# Altium PCB 创世一号.PcbDoc (part 2 of 2) (continued)
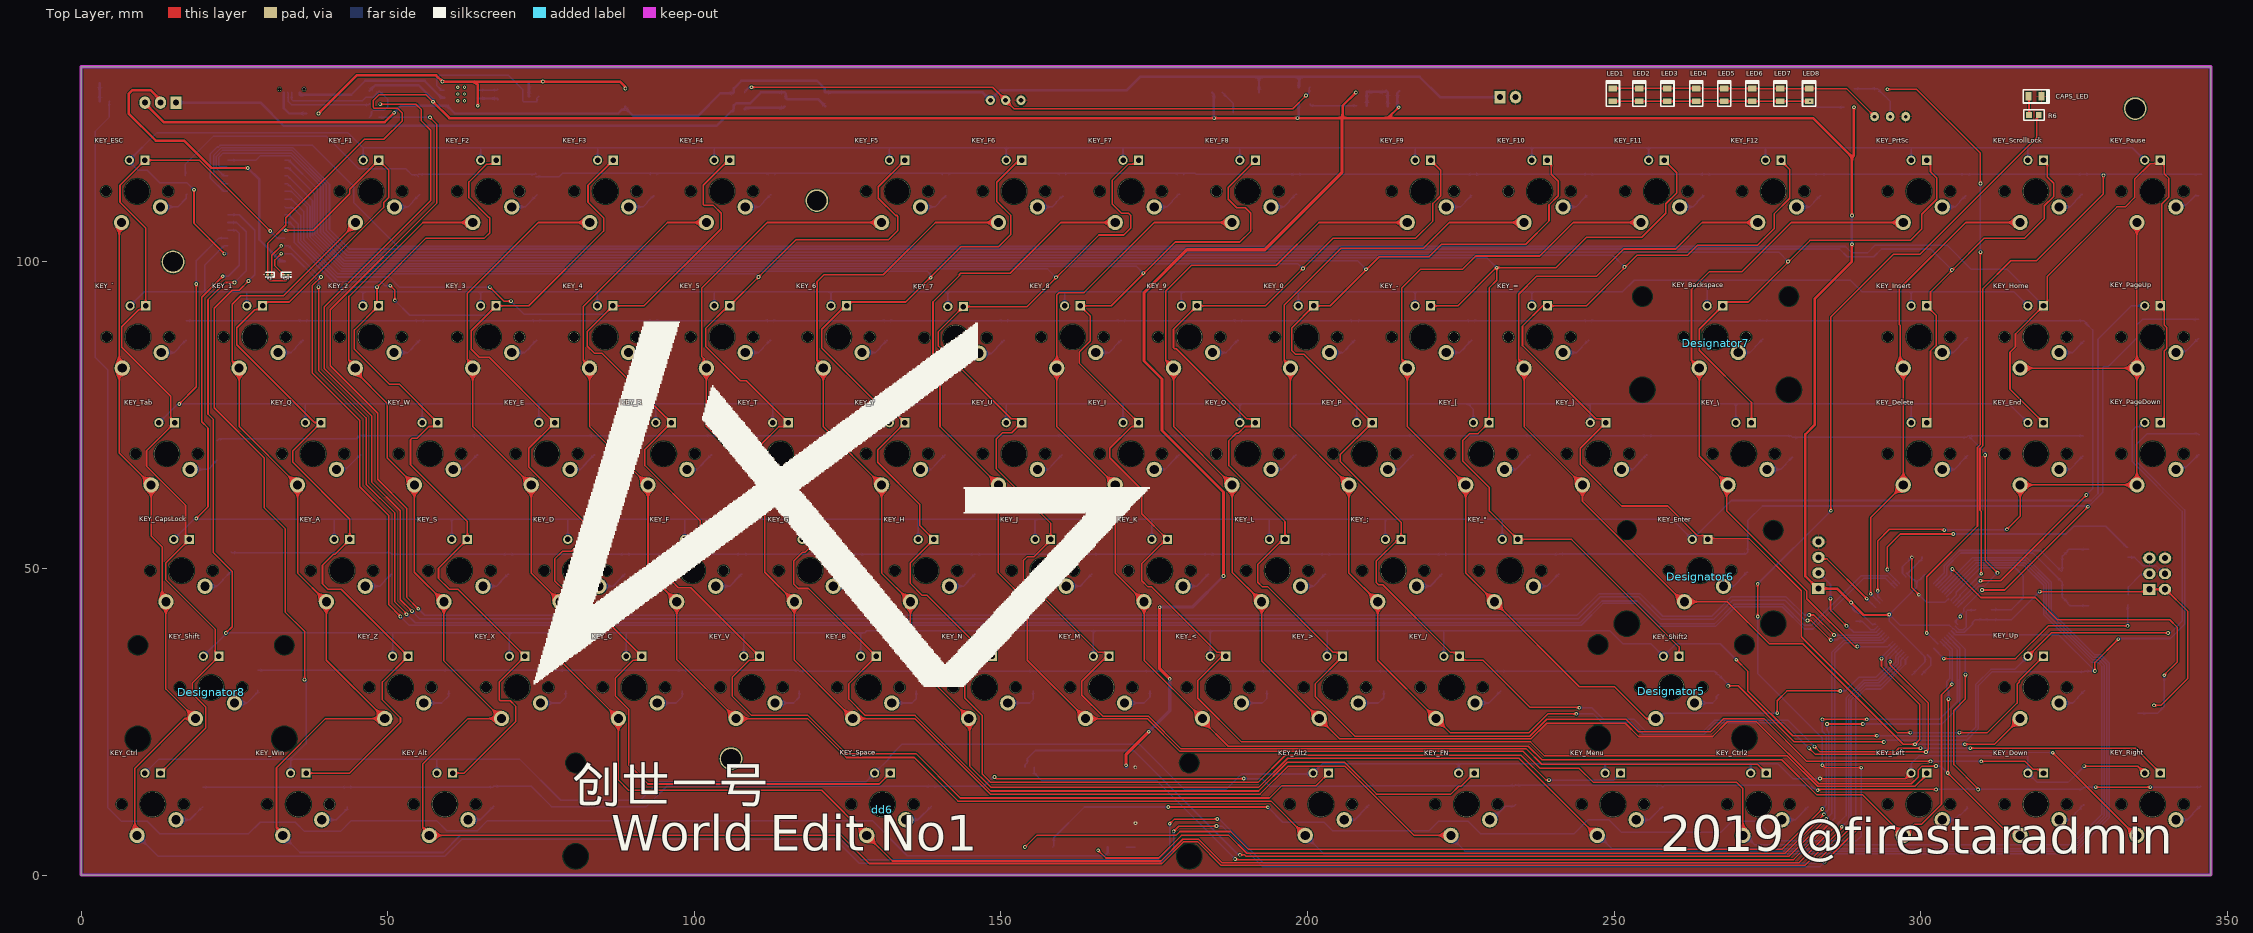
[diagram p0: Top Layer view]
## Nets (pads, with @x,y where several pads share a name; then routed paths per layer and width w, separated by ;. In a path a pad name is that pad's centre, name@x,y a point inside that pad or via, vN(x,y) a via of type N, cw(c..) or ccw(c..) an arc to the next point about the centre after c; other vN are vias at no path point) (continued)
NetD15_1: D15.1 KEY_PrtSc.1 | length 4.8
  Bottom Layer w0.254: KEY_PrtSc.1@303.53,108.966 305.627,108.966 306.36,109.699 306.36,109.799 307.367,110.806 D15.1@307.467,110.806
NetD16_1: D16.1 KEY_ScrollLock.1 | length 4.7
  Bottom Layer w0.254: KEY_ScrollLock.1@322.58,108.966 324.358,108.966 325.187,109.795 325.187,109.895 326.29,110.998 D16.1@326.39,110.998
NetD17_1: D17.1 KEY_Pause.1 | length 4.4
  Bottom Layer w0.254: KEY_Pause.1@341.63,108.966 341.926,109.262 343.261,109.262 344.805,110.806 D17.1@345.313,110.806
NetD18_1: D18.1 KEY_`.1 | length 4.9
  Bottom Layer w0.254: KEY_`.1@13.081,85.217 15.178,85.217 15.975,86.014 15.975,86.114 17.045,87.184 D18.1@17.145,87.184
NetD19_1: D19.1 KEY_1.1 | length 4.9
  Bottom Layer w0.254: KEY_1.1@32.131,85.217 34.239,85.217 35.036,86.014 35.036,86.114 36.106,87.184 D19.1@36.206,87.184
NetD20_1: D20.1 KEY_2.1 | length 5.1
  Bottom Layer w0.254: KEY_2.1@51.054,85.217 53.299,85.217 54.096,86.014 54.096,86.114 55.166,87.184 D20.1@55.266,87.184
NetD21_1: D21.1 KEY_3.1 | length 5
  Bottom Layer w0.254: KEY_3.1@70.231,85.217 72.36,85.217 73.157,86.014 73.157,86.114 74.227,87.184 D21.1@74.327,87.184
NetD22_1: D22.1 KEY_4.1 | length 5
  Bottom Layer w0.254: KEY_4.1@89.281,85.217 91.42,85.217 92.217,86.014 92.217,86.114 93.287,87.184 D22.1@93.387,87.184
NetD23_1: D23.1 KEY_5.1 | length 5
  Bottom Layer w0.254: KEY_5.1@108.331,85.217 110.481,85.217 111.278,86.014 111.278,86.114 112.348,87.184 D23.1@112.448,87.184
NetD24_1: D24.1 KEY_6.1 | length 5
  Bottom Layer w0.254: KEY_6.1@127.381,85.217 129.541,85.217 130.338,86.014 130.338,86.114 131.408,87.184 D24.1@131.508,87.184
NetD25_1: D25.1 KEY_7.1 | length 5.1
  Bottom Layer w0.254: KEY_7.1@146.431,85.09 148.475,85.09 149.336,85.95 149.336,86.05 150.469,87.184 D25.1@150.569,87.184
NetD26_1: D26.1 KEY_8.1 | length 5
  Bottom Layer w0.254: KEY_8.1@165.481,85.217 167.663,85.217 168.46,86.014 168.46,86.114 169.53,87.184 D26.1@169.63,87.184
NetD27_1: D27.1 KEY_9.1 | length 5
  Bottom Layer w0.254: KEY_9.1@184.531,85.217 186.723,85.217 187.52,86.014 187.52,86.114 188.59,87.184 D27.1@188.69,87.184
NetD28_1: D28.1 KEY_0.1 | length 5
  Bottom Layer w0.254: KEY_0.1@203.581,85.217 205.784,85.217 206.581,86.014 206.581,86.114 207.651,87.184 D28.1@207.751,87.184
NetD29_1: D29.1 KEY_-.1 | length 5.1
  Bottom Layer w0.254: KEY_-.1@222.631,85.217 224.844,85.217 225.641,86.014 225.641,86.114 226.711,87.184 D29.1@226.811,87.184
NetD30_1: D30.1 KEY_=.1 | length 5.1
  Bottom Layer w0.254: KEY_=.1@241.681,85.217 243.905,85.217 244.702,86.014 244.702,86.114 245.772,87.184 D30.1@245.872,87.184
NetD31_1: D31.1 KEY_Backspace.1 | length 5
  Bottom Layer w0.254: KEY_Backspace.1@270.256,85.217 272.161,85.217 273.054,86.11 273.054,86.21 274.22,87.376 D31.1@274.32,87.376
NetD32_1: D32.1 KEY_Insert.1 | length 5.2
  Bottom Layer w0.254: KEY_Insert.1@303.53,85.217 305.308,85.217 306.328,86.237 306.328,86.337 307.621,87.63 D32.1@307.721,87.63
NetD33_1: D33.1 KEY_Home.1 | length 4.9
  Bottom Layer w0.254: KEY_Home.1@322.58,85.217 324.804,85.217 325.537,85.95 325.537,86.05 326.544,87.057 D33.1@326.644,87.057
NetD34_1: D34.1 KEY_Tab.1 | length 5.1
  Bottom Layer w0.254: KEY_Tab.1@17.78,66.167 20.766,66.167 21.309,66.71 21.309,66.81 22.125,67.626 D34.1@22.225,67.626
NetD35_1: D35.1 KEY_PageUp.1 | length 4.6
  Bottom Layer w0.254: KEY_PageUp.1@341.63,85.217 341.899,85.486 343.261,85.486 345.213,87.438 D35.1@345.313,87.438
NetD36_1: D36.1 KEY_W.1 | length 4.9
  Bottom Layer w0.254: KEY_W.1@60.706,66.167 60.825,66.286 62.337,66.286 64.566,68.515 D36.1@64.666,68.515
NetD37_1: D37.1 KEY_E.1 | length 5
  Bottom Layer w0.254: KEY_E.1@79.756,66.167 81.391,66.167 82.379,67.154 82.379,67.254 83.639,68.515 D37.1@83.739,68.515
NetD38_1: D38.1 KEY_R.1 | length 5
  Bottom Layer w0.254: KEY_R.1@98.806,66.167 100.464,66.167 101.452,67.154 101.452,67.254 102.712,68.515 D38.1@102.812,68.515
NetD39_1: D39.1 KEY_T.1 | length 5.1
  Bottom Layer w0.254: KEY_T.1@117.856,66.167 119.537,66.167 120.525,67.154 120.525,67.254 121.785,68.515 D39.1@121.885,68.515
NetD40_1: D40.1 KEY_Y.1 | length 5.1
  Bottom Layer w0.254: KEY_Y.1@136.906,66.167 138.61,66.167 139.598,67.154 139.598,67.254 140.858,68.515 D40.1@140.958,68.515
NetD41_1: D41.1 KEY_U.1 | length 5.1
  Bottom Layer w0.254: KEY_U.1@155.956,66.167 157.684,66.167 158.671,67.154 158.671,67.254 159.932,68.515 D41.1@160.032,68.515
NetD42_1: D42.1 KEY_I.1 | length 5.1
  Bottom Layer w0.254: KEY_I.1@175.006,66.167 176.757,66.167 177.744,67.154 177.744,67.254 179.005,68.515 D42.1@179.105,68.515
NetD43_1: D43.1 KEY_O.1 | length 5.2
  Bottom Layer w0.254: KEY_O.1@194.056,66.167 195.83,66.167 196.817,67.154 196.817,67.254 198.078,68.515 D43.1@198.178,68.515
NetD44_1: D44.1 KEY_P.1 | length 5.2
  Bottom Layer w0.254: KEY_P.1@213.106,66.167 214.903,66.167 215.89,67.154 215.89,67.254 217.151,68.515 D44.1@217.251,68.515
NetD45_1: D45.1 KEY_[.1 | length 5.2
  Bottom Layer w0.254: KEY_[.1@232.156,66.167 233.976,66.167 234.963,67.154 234.963,67.254 236.224,68.515 D45.1@236.324,68.515
NetD46_1: D46.1 KEY_].1 | length 5.2
  Bottom Layer w0.254: KEY_].1@251.206,66.167 253.049,66.167 254.036,67.154 254.036,67.254 255.297,68.515 D46.1@255.397,68.515
NetD47_1: D47.1 KEY_\.1 | length 5.1
  Bottom Layer w0.254: KEY_\.1@274.955,66.167 277.179,66.167 277.976,66.964 277.976,67.064 279.046,68.134 D47.1@279.146,68.134
NetD48_1: D48.1 KEY_Delete.1 | length 5.2
  Bottom Layer w0.254: KEY_Delete.1@303.53,66.167 305.5,66.167 306.424,67.091 306.424,67.191 307.621,68.388 D48.1@307.721,68.388
NetD49_1: D49.1 KEY_End.1 | length 4.9
  Bottom Layer w0.254: KEY_End.1@322.58,66.167 324.358,66.167 325.251,67.06 325.251,67.16 326.417,68.326 D49.1@326.517,68.326
NetD50_1: D50.1 KEY_CapsLock.1 | length 5.3
  Bottom Layer w0.254: KEY_CapsLock.1@20.193,47.117 22.163,47.117 23.15,48.104 23.15,48.204 24.411,49.465 D50.1@24.511,49.465
NetD51_1: D51.1 KEY_A.1 | length 5.2
  Bottom Layer w0.254: KEY_A.1@46.355,47.117 48.706,47.117 49.503,47.914 49.503,48.014 50.573,49.084 D51.1@50.673,49.084
NetD52_1: D52.1 KEY_S.1 | length 5.1
  Bottom Layer w0.254: KEY_S.1@65.532,47.117 67.743,47.117 68.54,47.914 68.54,48.014 69.61,49.084 D52.1@69.71,49.084
NetD53_1: D53.1 KEY_D.1 | length 5.2
  Bottom Layer w0.254: KEY_D.1@84.455,47.117 86.781,47.117 87.578,47.914 87.578,48.014 88.648,49.084 D53.1@88.748,49.084
NetD54_1: D54.1 KEY_F.1 | length 5.2
  Bottom Layer w0.254: KEY_F.1@103.505,47.117 105.818,47.117 106.615,47.914 106.615,48.014 107.685,49.084 D54.1@107.785,49.084
NetD55_1: D55.1 KEY_G.1 | length 5
  Bottom Layer w0.254: KEY_G.1@122.682,47.117 124.855,47.117 125.652,47.914 125.652,48.014 126.722,49.084 D55.1@126.822,49.084
NetD56_1: D56.1 KEY_H.1 | length 5.1
  Bottom Layer w0.254: KEY_H.1@141.605,47.117 143.893,47.117 144.689,47.914 144.689,48.014 145.76,49.084 D56.1@145.859,49.084
NetD57_1: D57.1 KEY_J.1 | length 5.1
  Bottom Layer w0.254: KEY_J.1@160.655,47.117 162.93,47.117 163.727,47.914 163.727,48.014 164.797,49.084 D57.1@164.897,49.084
NetD58_1: D58.1 KEY_K.1 | length 5.1
  Bottom Layer w0.254: KEY_K.1@179.705,47.117 181.967,47.117 182.764,47.914 182.764,48.014 183.834,49.084 D58.1@183.934,49.084
NetD59_1: D59.1 KEY_L.1 | length 5
  Bottom Layer w0.254: KEY_L.1@198.882,47.117 201.004,47.117 201.801,47.914 201.801,48.014 202.871,49.084 D59.1@202.971,49.084
NetD60_1: D60.1 KEY_;.1 | length 5.1
  Bottom Layer w0.254: 217.805,47.117 220.042,47.117 220.839,47.914 220.839,48.014 221.909,49.084 D60.1@222.009,49.084
NetD61_1: "KEY_\".1" D61.1 | length 5.1
  Bottom Layer w0.254: 236.855,47.117 239.079,47.117 239.876,47.914 239.876,48.014 240.946,49.084 D61.1@241.046,49.084
NetD62_1: D62.1 KEY_Enter.1 | length 4.9
  Bottom Layer w0.254: KEY_Enter.1@267.843,47.117 269.494,47.117 270.45,48.073 270.45,48.173 271.68,49.403 D62.1@271.78,49.403
NetD63_1: D63.1 KEY_Q.1 | length 4.9
  Bottom Layer w0.254: KEY_Q.1@41.656,66.167 41.798,66.309 43.287,66.309 45.493,68.515 D63.1@45.593,68.515
NetD64_1: D64.1 KEY_PageDown.1 | length 4.8
  Bottom Layer w0.254: KEY_PageDown.1@341.63,66.167 341.964,66.501 343.261,66.501 345.34,68.58 D64.1@345.44,68.58
NetD66_1: D66.1 KEY_Shift.1 | length 4.9
  Bottom Layer w0.254: KEY_Shift.1@25.019,28.067 27.051,28.067 28.829,29.845 D66.1@28.829,30.161
NetD67_1: D67.1 KEY_Z.1 | length 5.4
  Bottom Layer w0.254: KEY_Z.1@55.88,28.067 58.801,28.067 59.944,29.21 D67.1@59.944,30.034
NetD68_1: D68.1 KEY_X.1 | length 5.5
  Bottom Layer w0.254: KEY_X.1@74.93,28.067 78.105,28.067 79.008,28.97 D68.1@79.008,30.034
NetD69_1: D69.1 KEY_C.1 | length 5.4
  Bottom Layer w0.254: KEY_C.1@93.98,28.067 97.028,28.067 98.072,29.111 D69.1@98.072,30.034
NetD70_1: D70.1 KEY_V.1 | length 5.4
  Bottom Layer w0.254: KEY_V.1@113.157,28.067 116.205,28.067 117.136,28.998 D70.1@117.136,30.034
NetD71_1: D71.1 KEY_B.1 | length 5.6
  Bottom Layer w0.254: KEY_B.1@132.207,28.067 135.509,28.067 136.2,28.758 D71.1@136.2,30.034
NetD72_1: D72.1 KEY_N.1 | length 5.6
  Bottom Layer w0.254: KEY_N.1@151.257,28.067 154.686,28.067 155.265,28.646 D72.1@155.265,30.034
NetD73_1: D73.1 KEY_M.1 | length 5.5
  Bottom Layer w0.254: KEY_M.1@170.18,28.067 173.355,28.067 174.329,29.041 D73.1@174.329,30.034
NetD74_1: D74.1 KEY_<.1 | length 5.7
  Bottom Layer w0.254: KEY_<.1@189.23,28.067 192.659,28.067 193.393,28.801 D74.1@193.393,30.034
NetD75_1: D75.1 KEY_>.1 | length 5.6
  Bottom Layer w0.254: KEY_>.1@208.28,28.067 211.582,28.067 212.457,28.942 D75.1@212.457,30.034
NetD76_1: D76.1 KEY_/.1 | length 5
  Bottom Layer w0.254: KEY_/.1@227.33,28.067 229.554,28.067 D76.1@231.521,30.034
NetD77_1: D77.1 KEY_Shift2.1 | length 4.7
  Bottom Layer w0.254: KEY_Shift2.1@263.144,28.067 266.065,28.067 266.7,28.702 266.7,29.018 266.708,29.026 266.708,29.126 266.981,29.399 D77.1@267.081,29.399
NetD78_1: D78.1 KEY_Up.1 | length 5.1
  Bottom Layer w0.254: KEY_Up.1@322.58,28.067 324.804,28.067 325.601,28.864 325.601,28.964 326.671,30.034 D78.1@326.771,30.034
NetD82_1: D82.1 KEY_Ctrl.1 | length 5.2
  Bottom Layer w0.254: KEY_Ctrl.1@15.494,9.017 17.718,9.017 D82.1@19.812,11.111
NetD83_1: D83.1 KEY_Win.1 | length 5.2
  Bottom Layer w0.254: KEY_Win.1@39.243,9.017 41.621,9.017 43.434,10.83 D83.1@43.434,11.111
NetD84_1: D84.1 KEY_Alt.1 | length 5.1
  Bottom Layer w0.254: KEY_Alt.1@63.119,9.017 65.089,9.017 D84.1@67.31,11.238
NetD85_1: D85.1 KEY_Space.1 | length 5.1
  Bottom Layer w0.254: KEY_Space.1@134.493,9.017 136.463,9.017 D85.1@138.684,11.238
NetD86_1: D86.1 KEY_Alt2.1 | length 5.1
  Bottom Layer w0.254: KEY_Alt2.1@205.994,9.017 207.71,9.017 208.697,10.004 208.697,10.104 209.958,11.365 D86.1@210.058,11.365
NetD87_1: D87.1 KEY_FN.1 | length 5.2
  Bottom Layer w0.254: KEY_FN.1@229.743,9.017 230.068,9.017 232.27,11.219 233.661,11.219 D87.1@233.934,11.492
NetD88_1: D88.1 KEY_Menu.1 | length 5.2
  Bottom Layer w0.254: KEY_Menu.1@253.619,9.017 255.743,9.017 257.837,11.111 D88.1@257.937,11.111
NetD89_1: D89.1 KEY_Ctrl2.1 | length 5.2
  Bottom Layer w0.254: KEY_Ctrl2.1@277.368,9.017 279.592,9.017 280.452,9.877 280.452,9.977 281.586,11.111 D89.1@281.686,11.111
NetD90_1: D90.1 KEY_Left.1 | length 5.1
  Bottom Layer w0.254: KEY_Left.1@303.53,9.017 305.5,9.017 306.36,9.877 306.576,9.877 307.621,10.922 D90.1@307.721,10.922 ; D90.1@307.494,11.111 D90.1@307.594,11.111
NetD91_1: D91.1 KEY_Down.1 | length 5.1
  Bottom Layer w0.254: KEY_Down.1@322.58,9.017 324.231,9.017 325.251,10.037 325.251,10.137 326.544,11.43 D91.1@326.644,11.43
NetD92_1: D92.1 KEY_Right.1 | length 5
  Bottom Layer w0.254: KEY_Right.1@341.63,9.017 343.473,9.017 344.397,9.941 344.397,10.041 345.594,11.238 D92.1@345.694,11.238
NetF1_2: F1.2 USB.1 | length 6.6
  Bottom Layer w0.4: USB.1@33.06,127.627 33.06,125.095 33.949,124.206 F1.2@36.719,124.206
NetLED1_1: LED1.1 LED2.1 LED3.1 LED4.1 LED5.1 LED6.1 LED7.1 LED8.1 R17.1 | length 38.1
  Top Layer w0.254: LED1.1@249.809,126.205 LED2.1@254.127,126.205 LED3.1@258.699,126.205 LED4.1@263.398,126.205 LED5.1@267.97,126.205 LED6.1@272.542,126.205 LED7.1@277.114,126.205 LED8.1@281.813,126.205 281.935,126.205 v1(281.94,126.2)
  Bottom Layer w0.254: v1(281.94,126.2) 282.918,125.222 R17.1@287.528,125.222
NetLED1_2: LED1.2 LED2.2 LED3.2 LED4.2 LED5.2 LED6.2 LED7.2 LED8.2 Q1.1 | length 44.6
  Top Layer w0.254: LED1.2@249.809,128.305 LED2.2@254.127,128.305 LED3.2@258.699,128.305 LED4.2@263.398,128.305 263.433,128.27 287.909,128.27 Q1.1@292.481,123.698
NetLED_CHRG_2: LED_CHRG.2 R13.2 | length 2.3
  Bottom Layer w0.4: LED_CHRG.2@72.991,129.286 73.033,129.244 73.033,127.042 R13.2@73.076,127
NetLEDPwrCON_2: LEDPwrCON.2 U2.28 | length 51
  Top Layer w0.4: LEDPwrCON.2@12.954,125.984 12.954,126.385 11.323,128.016 8.382,128.016 7.747,127.381 7.747,124.206 12.173,119.78 16.784,119.78 21.249,115.316 v1(27.178,115.316)
  Bottom Layer w0.4: v1(27.178,115.316) 29.083,113.411 29.083,103.618 32.625,100.076 U2.28@33.25,100.076
NetPWR_1: PWR.1 R9.1 | length 4.1
  Bottom Layer w0.254: R9.1@186.106,127.635 186.106,127.61 187.16,126.555 187.186,126.555 187.892,125.849 PWR.1@187.892,124.333
NetQ1_2: Q1.2 R15.1 R16.1 | length 9.2
  Bottom Layer w0.254: R16.1@289.179,128.27 292.926,128.27 294.148,127.048 294.173,127.048 295.021,126.2 Q1.2@295.021,123.698
NetR2_1: R2.1 U1.13 | length 24.4
  Bottom Layer w0.254: U1.13@304.96,44.731 304.96,44.834 305.793,45.666 305.793,46.118 309.782,50.107 315.419,50.107 316.738,48.788 316.738,45.212 314.833,43.307 R2.1@311.531,43.307
NetR7_2: R7.2 STATE_LED.1 | length 2.9
  Bottom Layer w0.4: STATE_LED.1@3.014,129.159 3.031,129.142 3.031,126.255 R7.2@3.048,126.238
NetR10_2: R10.2 R11.2 USB.3 | length 23.4
  Bottom Layer w0.254: USB.3@34.36,127.627 34.36,126.477 34.556,126.281 45.89,126.281 46.482,126.873 47.65,126.873 R10.2@48.641,127.864 ; R11.2@46.99,123.571 47.338,123.919 47.338,124.427 47.625,124.714 49.403,124.714 50.038,125.349 50.038,126.467 R10.2@48.641,127.864 ; R10.2@48.641,127.889 R10.2@48.641,127.864
NetR12_2: R12.2 USB.2 | length 15.1
  Bottom Layer w0.254: USB.2@33.71,127.627 33.783,127.554 33.783,126.179 34.359,125.603 46.88,125.603 47.041,125.764 R12.2@47.041,125.739
NetR13_1: R13.1 U5.7 | length 23.1
  Bottom Layer w0.254: U5.7@59.251,128.016 58.759,128.016 58.018,128.757 58.018,129.9 58.547,130.429 69.723,130.429 72.009,128.143 72.009,126.26 72.158,126.111 74.327,126.111 74.328,126.112 74.328,126.652 R13.1@74.676,127
NetRPROG_2: RPROG.2 U5.2 | length 3.3
  Bottom Layer w0.254: U5.2@64.701,128.016 67.809,128.016 RPROG.2@67.945,128.152
NRST: C8.1 R5.1 S1.1 U1.7 | length 63.2
  Top Layer w0.254: v1(305.181,49.911) 309.822,45.27 318.712,45.27 322.326,41.656 340.614,41.656 341.884,40.386 341.884,34.798 v1@339.704,32.618
  Bottom Layer w0.254: U1.7@302.839,46.852 304.987,48.999 304.987,49.717 v1(305.181,49.911) ; S1.1@335.407,26.374 338.582,26.374 339.725,27.517 R5.1@339.725,27.644 v1(339.725,32.597)
row0: D2.2 D3.2 D4.2 D5.2 D6.2 D7.2 D8.2 D9.2 D10.2 D11.2 D12.2 D13.2 D14.2 D15.2 D16.2 D17.2 U1.14 | length 418.2
  Top Layer w0.254: v1(309.88,49.149) 309.88,59.314 309.684,59.51 309.684,69.581 310.157,70.054 310.157,95.654 314.706,100.203 318.897,100.203 329.819,111.125 v1(329.819,114.111)
  Bottom Layer w0.254: D2.2@17.018,114.046 17.018,115.951 21.59,120.523 40.005,120.523 45.339,115.189 52.959,115.189 53.956,114.192 54.739,114.192 D3.2@55.012,113.919 ; D3.2@55.012,114.3 74.041,114.3 74.168,114.427 ; D4.2@74.168,113.919 77.978,113.919 78.486,114.427 112.522,114.427 181.737,114.427 181.864,114.3 227.065,114.3 283.591,114.3 326.517,114.3 345.44,114.3 D17.2@345.821,114.3 ; U1.14@305.314,44.377 306.424,45.487 306.424,45.693 v1(309.88,49.149)
row1: D18.2 D19.2 D20.2 D21.2 D22.2 D23.2 D24.2 D25.2 D26.2 D27.2 D28.2 D29.2 D30.2 D31.2 D32.2 D33.2 U1.15 | length 367.8
  Top Layer w0.254: v1@309.682,48.006 v1(309.753,48.006) 313.055,48.006 v1(327.025,61.976)
  Bottom Layer w0.254: D18.2@17.145,90.424 D19.2@36.206,90.424 D20.2@55.266,90.424 D21.2@74.327,90.424 D22.2@93.387,90.424 D23.2@112.448,90.424 D24.2@131.508,90.424 D25.2@150.569,90.424 D26.2@169.63,90.424 D27.2@188.69,90.424 D28.2@207.751,90.424 D29.2@226.811,90.424 D30.2@245.872,90.424 307.721,90.424 326.517,90.424 D33.2@326.644,90.297 326.744,90.297 327.017,90.024 327.017,89.924 328.041,88.9 328.041,62.992 v1(327.025,61.976) ; U1.15@305.668,44.023 305.7,44.023 309.683,48.006 v1(309.753,48.006)
row2: D34.2 D36.2 D37.2 D38.2 D39.2 D40.2 D41.2 D42.2 D43.2 D44.2 D45.2 D46.2 D47.2 D48.2 D49.2 D63.2 U1.16 | length 338.1
  Top Layer w0.254: v1(310.515,68.515) 310.515,51.324 v1(312.547,49.292)
  Bottom Layer w0.254: D34.2@22.225,70.866 22.498,71.139 44.877,71.139 45.493,71.755 D63.2@45.593,71.755 45.701,71.647 64.666,71.647 121.885,71.647 179.105,71.647 278.873,71.647 D47.2@279.146,71.374 307.467,71.374 D48.2@307.721,71.628 D48.2@307.821,71.628 ; U1.16@306.021,43.67 309.427,47.075 310.33,47.075 v1(312.547,49.292) ; v1(310.515,68.515) 310.515,68.934 D48.2@307.821,71.628 ; D49.2@326.517,71.566 326.455,71.628 D48.2@307.821,71.628
row3: D35.2 D50.2 D51.2 D52.2 D53.2 D54.2 D55.2 D56.2 D57.2 D58.2 D59.2 D60.2 D61.2 D62.2 U1.17 | length 383.3
  Top Layer w0.254: v1(310.007,46.498) 313.706,46.498 v1(327.279,60.071)
  Bottom Layer w0.254: D50.2@24.511,52.705 24.619,52.597 50.4,52.597 D51.2@50.673,52.324 D52.2@69.71,52.324 D53.2@88.748,52.324 D54.2@107.785,52.324 D55.2@126.822,52.324 D56.2@145.859,52.324 D57.2@164.897,52.324 D58.2@183.934,52.324 D59.2@202.971,52.324 D60.2@222.009,52.324 D61.2@241.046,52.324 241.092,52.37 271.507,52.37 D62.2@271.78,52.643 271.78,57.785 274.193,60.198 v1@327.279,60.198 ; U1.17@306.021,40.912 305.626,41.307 305.626,41.339 v1(306.451,42.164) 306.451,42.377 307.063,42.989 307.063,43.554 v1(310.007,46.498) ; v1@327.469,60.198 329.692,62.421 329.692,82.782 329.841,82.931 330.581,82.931 335.216,87.566 335.216,89.664 336.169,90.616 345.251,90.616 D35.2@345.313,90.678
row4: D64.2 D66.2 D67.2 D68.2 D69.2 D70.2 D71.2 D72.2 D73.2 D74.2 D75.2 D76.2 D77.2 D78.2 U1.20 | length 402
  Top Layer w0.254: v1(268.605,30.861) 270.256,30.861 279.4,21.717 v1(294.005,21.717) ; v1(328.422,33.274) 328.422,34.671 v1(332.232,38.481)
  Bottom Layer w0.254: D66.2@28.829,33.401 117.009,33.401 D70.2@117.136,33.274 D71.2@136.2,33.274 D72.2@155.265,33.274 D73.2@174.329,33.274 D74.2@193.393,33.274 D75.2@212.457,33.274 D76.2@231.521,33.274 266.346,33.274 D77.2@266.981,32.639 ; D77.2@266.954,32.639 D77.2@266.981,32.639 ; v1(268.605,30.861) 268.605,31.115 D77.2@267.081,32.639 D77.2@266.981,32.639 ; v1(294.005,21.717) 294.276,21.988 307.514,21.988 309.421,23.895 309.421,30.939 311.628,33.147 326.644,33.147 D78.2@326.771,33.274 v1(328.422,33.274) 322.505,39.191 305.654,39.191 304.993,39.851 U1.20@304.96,39.851 ; v1@332.232,38.585 340.738,38.585 343.05,40.897 343.05,59.54 335.153,67.437 335.153,70.209 336.953,72.009 345.251,72.009 D64.2@345.44,71.82
row5: D82.2 D83.2 D84.2 D85.2 D86.2 D87.2 D88.2 D89.2 D90.2 D91.2 D92.2 U1.21 | length 359.9
  Top Layer w0.254: v1(148.971,16.002) 149.225,15.748 v1(189.611,15.748) ; v1(283.21,13.843) 283.337,13.97 302.522,13.97 v1(302.527,13.975) ; v1(307.311,32.694) 307.311,28.78 305.435,26.904 305.435,18.034 309.372,14.097 v1(309.372,13.975) ; v1(328.549,14.351) v1(337.439,14.351)
  Bottom Layer w0.254: D82.2@19.812,14.351 D83.2@43.434,14.351 67.183,14.351 D84.2@67.31,14.478 73.406,14.478 76.708,11.176 92.202,11.176 95.504,14.478 D85.2@138.684,14.478 147.193,14.478 148.717,16.002 v1(148.971,16.002) ; v1(189.611,15.748) 192.532,15.748 193.802,14.478 209.931,14.478 D86.2@210.058,14.605 233.807,14.605 D87.2@233.934,14.732 234.042,14.624 D88.2@257.664,14.624 257.937,14.351 258.191,14.605 ; 258.191,14.624 281.413,14.624 281.743,14.484 282.956,13.97 282.989,13.97 283.116,13.843 v1(283.21,13.843) ; v1(302.527,13.975) 307.534,13.975 D90.2@307.721,14.162 307.908,13.975 v1(309.372,13.975) 326.312,13.975 D91.2@326.651,14.314 v1(328.549,14.351) ; U1.21@304.607,39.498 307.311,36.794 v1(307.311,32.694) ; v1(337.439,14.351) 345.567,14.351 D92.2@345.694,14.478
SWCLK: SWD.3 U1.49 | length 12.7
  Top Layer w0.254: SWD.3@283.337,51.816 283.593,51.56 284.734,51.56 v1(291.211,45.083)
  Bottom Layer w0.254: v1(291.211,45.083) 292.624,43.67 U1.49@292.657,43.67
SWDIO: SWD.2 U1.46 | length 16.6
  Top Layer w0.254: v1(285.305,45.085) 285.305,43.244 v1(287.909,40.64)
  Bottom Layer w0.254: SWD.2@283.337,49.276 283.464,49.276 285.305,47.435 v1(285.305,45.085) ; v1@288.036,40.64 289.081,39.595 292.721,39.595 293.331,40.205 U1.46@293.364,40.205
SysPWREN: SW_PWR.2 U3.3 U4.3 | length 96.1
  Top Layer w0.254: v1(109.347,128.481) 148.673,128.481 SW_PWR.2@150.789,126.365 150.789,126.325 152.146,124.968 197.612,124.968 v1(199.771,127.127)
  Bottom Layer w0.254: U4.3@108.265,127.588 108.265,127.813 108.867,128.415 109.281,128.415 v1(109.347,128.481) ; v1(199.771,127.127) 200.294,127.65 200.294,128.347 U3.3@200.467,128.52
U1_RX: BTK-05.1 U1.43 | length 179.8
  Top Layer w0.254: v1(188.976,3.302) 189.738,3.302 189.975,3.065 191.592,3.065 278.528,3.065 ; 278.511,3.048 278.528,3.065 ; v1(284.607,9.144) 278.528,3.065
  Bottom Layer w0.254: BTK-05.1@153.941,17.572 153.941,17.972 154.305,18.336 154.305,19.028 155.597,20.32 171.693,20.32 188.711,3.302 v1(188.976,3.302) ; v1(284.607,9.144) 285.496,10.033 285.496,36.322 287.447,38.273 293.553,38.273 U1.43@294.425,39.144
U1_TX: BTK-05.2 U1.42 | length 176.9
  Top Layer w0.254: v1@188.214,2.54 279.273,2.54 v1(285.115,8.382)
  Bottom Layer w0.254: BTK-05.2@155.441,17.572 155.441,16.644 156.718,15.367 175.487,15.367 v1(188.214,2.64) ; v1(285.115,8.382) 286.002,9.269 286.002,36.257 287.614,37.869 293.856,37.869 U1.42@294.778,38.791
USBDM: R12.1 U1.44 | length 350.7
  Top Layer w0.254: v1(48.768,125.73) 54.588,125.73 55.499,124.819 55.499,123 57.023,121.476 57.023,110.022 39.624,92.623 39.624,82.664 47.371,74.917 47.371,64.122 52.07,59.423 52.07,44.918 53.935,43.053 v1(53.975,43.053) ; v1(281.559,41.529) 282.13,41.529 285.305,38.354 v1(285.369,38.354)
  Bottom Layer w0.254: v1(53.975,43.053) 55.206,41.822 56.388,41.822 244.196,41.822 247.752,45.378 254.025,45.378 257.708,41.695 266.167,41.695 269.303,44.831 277.876,44.831 281.178,41.529 v1(281.559,41.529) ; v1(285.369,38.354) 286.385,38.354 286.708,38.677 293.25,38.677 U1.44@294.071,39.498
USBDP: R11.1 U1.45 | length 348.5
  Top Layer w0.254: v1(54.991,43.434) 53.086,45.339 53.086,59.844 48.387,64.543 48.387,75.338 40.64,83.085 40.64,92.202 58.039,109.601 58.039,122.428 v1(56.896,123.571) ; v1(281.813,42.418) 282.589,42.418 285.863,39.144 v1(285.877,39.144)
  Bottom Layer w0.254: R11.1@48.59,123.571 v1(56.896,123.571) ; v1(54.991,43.434) 56.065,42.36 56.388,42.36 243.973,42.36 247.529,45.916 254.248,45.916 257.931,42.233 265.944,42.233 269.08,45.37 278.099,45.37 281.051,42.418 v1(281.813,42.418) ; v1(285.877,39.144) 285.94,39.081 292.914,39.081 293.685,39.851 U1.45@293.718,39.851
WAKEUP: BTK-05.34 U1.23 | length 184.7
  Top Layer w0.254: v1(153.924,4.572) 155.829,6.477 169.037,6.477 178.562,6.477 179.197,7.112 187.452,7.112 190.373,4.191 277.368,4.191 v1(283.972,10.795) ; v1(283.972,25.4) v1(291.211,25.4)
  Bottom Layer w0.254: v1(283.972,10.795) 284.584,11.407 284.584,22.86 283.972,23.472 v1(283.972,25.4) ; v1(291.211,25.4) 303.068,25.4 306.012,28.344 306.012,31.958 305.995,31.975 305.995,36.696 U1.23@303.9,38.791
XT_IN: C1.1 R1.2 U1.5 X1.2 | length 32.6
  Bottom Layer w0.254: U1.5@302.132,47.559 303.865,49.292 303.865,50.456 306.343,52.934 319.557,52.934 322.961,49.53 323.088,49.657 C1.1@323.088,52.07 323.215,52.07 323.952,52.807 323.952,52.934 324.132,53.114 X1.2@327.406,53.114
XT_OUT: C2.1 R1.1 U1.6 X1.1 | length 33
  Bottom Layer w0.254: U1.6@302.486,47.205 304.269,48.989 304.269,50.289 306.511,52.53 318.31,52.53 323.088,47.752 C2.1@323.088,45.212 323.215,45.212 323.991,44.436 323.991,44.309 324.386,43.914 X1.1@327.406,43.914
pads on no net: "KEY_\"." BTK-05.3 BTK-05.4 BTK-05.5 BTK-05.6 BTK-05.7 BTK-05.8 BTK-05.9 BTK-05.10 BTK-05.11 BTK-05.24 BTK-05.27 BTK-05.28 BTK-05.29 BTK-05.30 BTK-05.32 BTK-05.33 dd6.0 dd6.1 dd6.3 dd6.4 Designator5.0 Designator5.1 Designator5.3 Designator5.4 Designator6.0 Designator6.1 Designator6.3 Designator6.4 Designator7.0 Designator7.1 Designator7.3 Designator7.4 Designator8.0 Designator8.1 Designator8.3 Designator8.4 KEY_0. KEY_1. KEY_2. KEY_3. KEY_4. KEY_5. KEY_6. KEY_7. KEY_8. KEY_9. KEY_-. KEY_/. KEY_;. KEY_<. KEY_=. KEY_>. KEY_[. KEY_\. KEY_]. KEY_`. KEY_A. KEY_Alt2. KEY_Alt. KEY_B. KEY_Backspace. KEY_C. KEY_CapsLock. KEY_Ctrl2. KEY_Ctrl. KEY_D. KEY_Delete. KEY_Down. KEY_E. KEY_End. KEY_Enter. KEY_ESC. KEY_F1. KEY_F2. KEY_F3. KEY_F4. KEY_F5. KEY_F6. KEY_F7. KEY_F8. KEY_F9. KEY_F10. KEY_F11. KEY_F12. KEY_F. KEY_FN. KEY_G. KEY_H. KEY_Home. KEY_I. KEY_Insert. KEY_J. KEY_K. KEY_L. KEY_Left. KEY_M. KEY_Menu. KEY_N. KEY_O. KEY_P. KEY_PageDown. KEY_PageUp. KEY_Pause. KEY_PrtSc. KEY_Q. KEY_R. KEY_Right. KEY_S. KEY_ScrollLock. KEY_Shift2. KEY_Shift. KEY_Space. KEY_T. KEY_Tab. KEY_U. KEY_Up. KEY_V. KEY_W. KEY_Win. KEY_X. KEY_Y. KEY_Z. U1.2 U1.3 U1.4 U1.27 U1.29 U1.30 U1.41 U1.50 U1.53 U1.54 U1.55 U1.56 U1.57 U1.61 U1.62 U2.8 U2.9 U5.9 USB.0 USB.4 USB.6 USB.7 USB.8 USB.9
copper on no net:
  other v2: 61.426,126.281 62.526,126.281 61.426,127.381 62.526,127.381 61.426,128.481 62.526,128.481

## Polygon pours and split planes (outlines as drawn)
GND on Top Layer "Top Layer-GND" (solid, pour order 2): 0,0 347.345,0 347.345,131.826 0,131.826
GND on Bottom Layer "Top Layer-GND" (solid, pour order 3): 0,0 347.345,0 347.345,131.826 0,131.826

## Keep-outs
Keep-Out Layer:
  the board outline again, w0.5

## Silkscreen, mask and mechanical layers (free items; w line width, h text height)
Top Overlay:
  drawing of 7 lines, arcs and shapes, not listed
  text "创世一号" at 80.137,9.906 h10
  text "World Edit No1" at 86.487,2.032 h10
  text "2019" at 257.556,1.905 h10
  text "@firestaradmin" at 279.527,1.524 h10
Bottom Overlay:
  region: 2965 vertices and 0 holes, not listed, extent 79.375,35.687 179.756,95.225
  text "3V7 GND" at 229.87,125.095 h0.8 r180
  text "LED3V3  3V7" at 17.418,124.333 h0.8 r180
  text "OFF  ON" at 153.162,123.952 h0.8 r180
  text "创世一号" at 242.697,57.912 h10
  text "GND CLK DIO 3V3" at 285.877,56.464 h0.8 r90
  text "GND B1 3V3" at 335.788,52.959 h0.8 r90
  text "GND B0 3V3" at 342.265,52.959 h0.8 r90
  text "World Edit No1" at 243.967,38.862 h10
  text "2019" at 68.707,18.288 h10
  text "@firestaradmin" at 68.326,2.032 h10
Mechanical 1:
  drawing of 1940 lines, arcs and shapes, not listed

## Dimensions
0,0 to 11.684,11.557 on Mechanical 1
11.684,11.557 to 0,0 on Mechanical 1
347.345,0 to 0,0 on Mechanical 1
106,19 to 0,0 on Mechanical 1
106,19 to 0,0 on Mechanical 1
248.158,133.096 to 282.702,132.334 on Mechanical 1
282.971,134.62 to 347.218,134.366 on Mechanical 1
283.845,127.508 to 244.871,118.506 on Mechanical 1
347.345,0 to 347.345,131.826 on Mechanical 1
318.644,126.545 to 347.345,135.89 on Mechanical 1
318.77,111.506 to 318.644,127.451 on Mechanical 1
346.075,118.618 to 348.234,131.826 on Mechanical 1
0,131.826 to 38.608,131.318 on Mechanical 1
30.099,129.413 to 0,131.826 on Mechanical 1

## Text inside footprints (layer, text, board x,y; h text height)
Q1: Bottom Overlay "E B C" at 296.921,121.498 h0.8